# KiCad board le_capybara.kicad_pcb
title: Le Capybara; date: 2024-02-21; rev: v1.0; company: sporkus; note: Mounting holes clean up
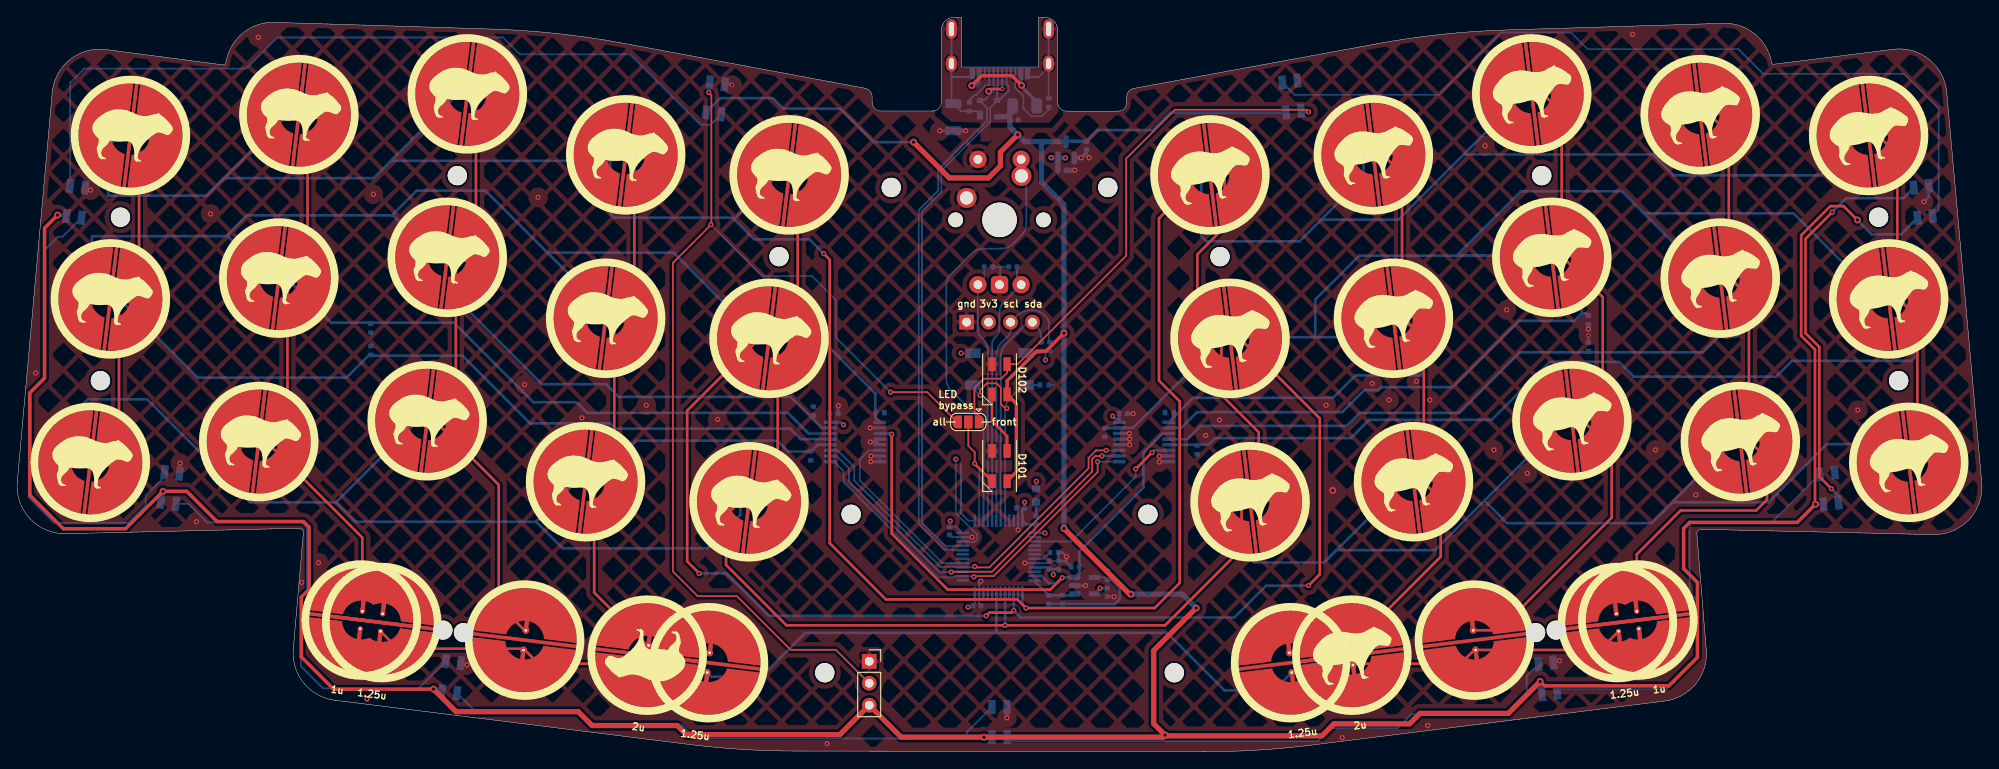
[diagram p0: board, top side]
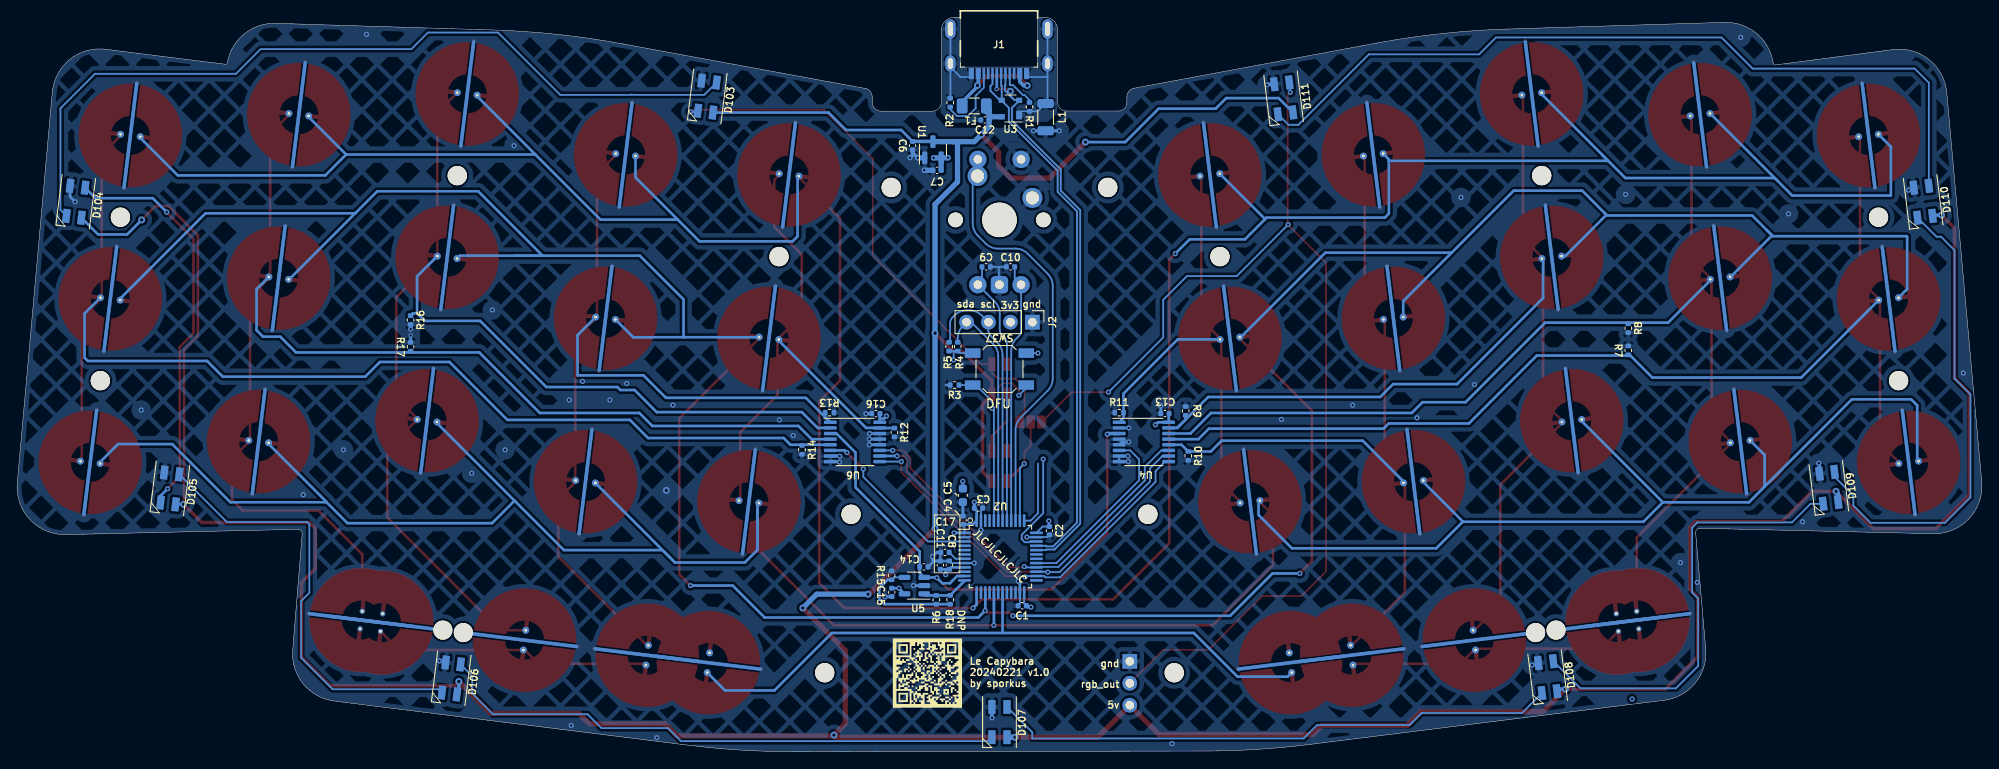
[diagram p1: board, bottom side, seen from below]

Outline 227.3 x 84.97 mm; copper layers: Top, In1.Cu, In2.Cu, Bottom. Coordinates in mm from the lower left corner of the outline.
Outline path: 109.24,84.96 108.4,84.96 arc(107.34,84.52) 106.91,83.46 106.91,75.12 arc(106.62,74.41) 105.91,74.12 99.91,74.12 arc(99.2,74.41) 98.91,75.12 98.91,75.77 arc(98.68,76.41) 98.09,76.75 70.07,81.97 arc(62.5,83.08) 54.86,83.6 29.74,84.37 arc(26.1,83.14) 24.16,79.81 24.12,79.61 arc(24.04,79.48) 23.9,79.44 10.24,81.23 arc(6.08,80.07) 4.05,76.27 0,31.21 arc(1.46,26.96) 5.61,25.22 32.59,25.86 arc(32.97,25.7) 33.1,25.31 31.94,11.89 arc(33.14,7.95) 36.74,5.95 77.7,0.85 arc(83.79,0.28) 89.9,0.08 137.22,0 arc(143.51,0.19) 149.77,0.77 190.63,5.87 arc(194.22,7.86) 195.43,11.77 194.33,25.19 arc(194.47,25.57) 194.84,25.73 221.7,25.12 arc(225.84,26.86) 227.3,31.11 223.25,76.3 arc(221.22,80.09) 217.09,81.26 203.21,79.53 arc(203.07,79.57) 202.99,79.69 202.96,79.85 arc(200.99,83.08) 197.4,84.27 172.33,83.5 arc(164.79,82.98) 157.31,81.9 129.2,76.74 arc(128.61,76.4) 128.38,75.76 128.38,75.11 arc(128.09,74.4) 127.38,74.11 121.38,74.11 arc(120.67,74.4) 120.38,75.11 120.38,83.47 arc(119.94,84.53) 118.88,84.97 118.18,84.97 ; 109.24,84.96 109.24,79.21 118.18,79.21 118.18,84.97
Stack: Top 0.035mm / dielectric 0.2104mm FR4 er 4.5 / In1.Cu 0.0152mm / dielectric 1.065mm FR4 er 4.5 / In2.Cu 0.0152mm / dielectric 0.2104mm FR4 er 4.5 / Bottom 0.035mm

## Placement (name value [footprint] x y rotation side)
C1  100nF  [C_0402_1005Metric]  111.02 16.89 0 bottom
C2  100nF  [C_0402_1005Metric]  107.87 25.57 270 bottom
C3  100nF  [C_0402_1005Metric]  116.08 28.19 180 bottom
C4  100nF  [C_0402_1005Metric]  117.87 26.78 90 bottom
C5  10uF  [C_0603_1608Metric]  117.89 29.66 270 bottom
C6  1uF  [C_0402_1005Metric]  123.71 70.12 90 bottom
C7  1uF  [C_0402_1005Metric]  120.88 67.26 180 bottom
C8  100n  [C_0402_1005Metric]  119.45 21.59 90 bottom
C9  100nF  [C_0402_1005Metric]  115.19 56.09 180 bottom
C10  100nF  [C_0402_1005Metric]  112.37 56.09 0 bottom
C11  1u  [C_0402_1005Metric]  120.49 21.58 90 bottom
C12  100nF  [C_0402_1005Metric]  115.33 73.09 0 bottom
C13  100n  [C_0402_1005Metric]  94.51 39.12 180 bottom
C14  220pF  [C_0402_1005Metric]  122.4 21.38 180 bottom
C15  100n  [C_0402_1005Metric]  126.12 18.43 90 bottom
C16  100n  [C_0402_1005Metric]  127.95 39.11 180 bottom
C17  100nF  [C_0402_1005Metric]  119.95 23.06 0 bottom
D101  SK6812MINI  [LED_SK6812MINI_PLCC4_3.5x3.5mm_P1.75mm]  113.65 33.05 270 top
D102  SK6812MINI  [LED_SK6812MINI_PLCC4_3.5x3.5mm_P1.75mm]  113.65 43.08 270 top
D103  SK6812MINI  [LED_SK6812MINI_PLCC4_3.5x3.5mm_P1.75mm]  147.46 75.79 277 bottom
D104  SK6812MINI  [LED_SK6812MINI_PLCC4_3.5x3.5mm_P1.75mm]  220.54 63.62 277 bottom
D105  SK6812MINI  [LED_SK6812MINI_PLCC4_3.5x3.5mm_P1.75mm]  209.64 30.46 277 bottom
D106  SK6812MINI  [LED_SK6812MINI_PLCC4_3.5x3.5mm_P1.75mm]  177.09 8.47 277 bottom
D107  SK6812MINI  [LED_SK6812MINI_PLCC4_3.5x3.5mm_P1.75mm]  113.65 3.43 270 bottom
D108  SK6812MINI  [LED_SK6812MINI_PLCC4_3.5x3.5mm_P1.75mm]  50.22 8.63 263 bottom
D109  SK6812MINI  [LED_SK6812MINI_PLCC4_3.5x3.5mm_P1.75mm]  17.69 30.53 263 bottom
D110  SK6812MINI  [LED_SK6812MINI_PLCC4_3.5x3.5mm_P1.75mm]  6.77 63.62 263 bottom
D111  SK6812MINI  [LED_SK6812MINI_PLCC4_3.5x3.5mm_P1.75mm]  80.77 75.59 263 bottom
F1  ASMD1206-150  [Fuse_1206_3216Metric]  116.57 74.71 180 bottom
G***  -  [LOGO]  121.99 9.09 180 bottom
H1  M2 Hole  [MountingHole_2.2mm_M2]  11.94 61.84 0 top
H2  M2 Hole  [MountingHole_2.2mm_M2]  93.43 9.14 0 top
H3  M2 Hole  [MountingHole_2.2mm_M2]  126.18 65.28 0 top
H4  M2 Hole  [MountingHole_2.2mm_M2]  50.92 66.65 0 top
H5  M2 Hole  [MountingHole_2.2mm_M2]  9.62 42.93 0 top
H6  M2 Hole  [MountingHole_2.2mm_M2]  49.25 14.07 0 top
H7  M2 Hole  [MountingHole_2.2mm_M2]  139.16 57.28 0 top
H8  M2 Hole  [MountingHole_2.2mm_M2]  96.48 27.46 0 top
H9  M2 Hole  [MountingHole_2.2mm_M2]  101.12 65.28 0 top
H10  M2 Hole  [MountingHole_2.2mm_M2]  51.62 13.78 0 top
H11  M2 Hole  [MountingHole_2.2mm_M2]  130.83 27.46 0 top
H12  M2 Hole  [MountingHole_2.2mm_M2]  88.15 57.28 0 top
H13  M2 Hole  [MountingHole_2.2mm_M2]  133.88 9.14 0 top
H14  M2 Hole  [MountingHole_2.2mm_M2]  215.37 61.84 0 top
H15  M2 Hole  [MountingHole_2.2mm_M2]  176.39 66.65 0 top
H16  M2 Hole  [MountingHole_2.2mm_M2]  178.05 14.07 0 top
H17  M2 Hole  [MountingHole_2.2mm_M2]  175.69 13.78 0 top
H18  M2 Hole  [MountingHole_2.2mm_M2]  217.69 42.93 0 top
J1  USB_C sink board 1.3mm  [USB4510031A]  113.71 82.46 0 bottom
J2  OLED I2C  [PinHeader_1x04_P2.54mm_Vertical]  109.84 49.69 270 bottom
J101  Conn_01x03_Female  [PinSocket_1x03_P2.54mm_Vertical]  98.58 10.46 0 top
JP2  SolderJumper_3_Open  [SolderJumper-3_P1.3mm_Open_RoundedPad1.0x1.5mm]  110.04 38.15 180 top
L1  60R@100MHz  [L_1206_3216Metric]  108.31 73.41 270 bottom
R1  5.1k  [R_0402_1005Metric]  110.18 74.6 90 bottom
R2  5.1k  [R_0402_1005Metric]  119.35 75.09 270 bottom
R3  10k  [R_0402_1005Metric]  118.84 42.42 0 bottom
R4  4.7k  [R_0402_1005Metric]  118.48 46.86 270 bottom
R5  4.7k  [R_0402_1005Metric]  119.48 46.86 270 bottom
R6  100k  [R_0402_1005Metric]  120.96 17.58 270 bottom
R7  100k  [R_0402_1005Metric]  40.89 46.43 90 bottom
R8  100k  [R_0402_1005Metric]  40.89 49 270 bottom
R9  100k  [R_0402_1005Metric]  92.11 39.42 90 bottom
R10  100k  [R_0402_1005Metric]  91.81 34.22 270 bottom
R11  100k  [R_0402_1005Metric]  99.81 39.22 0 bottom
R12  100k  [R_0402_1005Metric]  125.81 36.93 270 bottom
R13  100k  [R_0402_1005Metric]  133.32 39.22 180 bottom
R14  100k  [R_0402_1005Metric]  136.51 34.92 270 bottom
R15  1k  [R_0402_1005Metric]  126.14 20.4 90 bottom
R16  100k  [R_0402_1005Metric]  181.79 49.94 270 bottom
R17  100k  [R_0402_1005Metric]  181.79 46.84 90 bottom
R18  DNP  [R_0402_1005Metric]  119.36 17.58 270 bottom
SW1  EC_SW  [capy_pad_1U_90deg]  13.09 71.29 263 top
SW2  EC_SW  [capy_pad_1U_90deg]  32.58 73.7 263 top
SW3  EC_SW  [capy_pad_1U_90deg]  52.07 76.1 263 top
SW4  EC_SW  [capy_pad_1U_90deg]  70.4 69.05 263 top
SW5  EC_SW  [capy_pad_1U_90deg]  89.31 66.73 263 top
SW6  EC_SW  [capy_pad_1U_90deg]  138 66.73 277 top
SW7  EC_SW  [capy_pad_1U_90deg]  156.91 69.05 277 top
SW8  EC_SW  [capy_pad_1U_90deg]  175.24 76.1 277 top
SW9  EC_SW  [capy_pad_1U_90deg]  194.72 73.7 277 top
SW10  EC_SW  [capy_pad_1U_90deg]  214.21 71.29 277 top
SW11  EC_SW  [capy_pad_1U_90deg]  10.77 52.38 263 top
SW12  EC_SW  [capy_pad_1U_90deg]  30.26 54.79 263 top
SW13  EC_SW  [capy_pad_1U_90deg]  49.75 57.19 263 top
SW14  EC_SW  [capy_pad_1U_90deg]  68.08 50.15 263 top
SW15  EC_SW  [capy_pad_1U_90deg]  86.99 47.82 263 top
SW16  EC_SW  [capy_pad_1U_90deg]  140.32 47.82 277 top
SW17  EC_SW  [capy_pad_1U_90deg]  159.23 50.15 277 top
SW18  EC_SW  [capy_pad_1U_90deg]  177.56 57.19 277 top
SW19  EC_SW  [capy_pad_1U_90deg]  197.05 54.79 277 top
SW20  EC_SW  [capy_pad_1U_90deg]  216.53 52.38 277 top
SW21  EC_SW  [capy_pad_1U_90deg]  8.45 33.47 263 top
SW22  EC_SW  [capy_pad_1U_90deg]  27.94 35.88 263 top
SW23  EC_SW  [capy_pad_1U_90deg]  47.43 38.29 263 top
SW24  EC_SW  [capy_pad_1U_90deg]  65.76 31.24 263 top
SW25  EC_SW  [capy_pad_1U_90deg]  84.66 28.92 263 top
SW26  EC_SW  [capy_pad_1U_90deg]  142.64 28.92 277 top
SW27  EC_SW  [capy_pad_1U_90deg]  161.55 31.24 277 top
SW28  EC_SW  [capy_pad_1U_90deg]  179.88 38.29 277 top
SW29  EC_SW  [capy_pad_1U_90deg]  199.37 35.88 277 top
SW30  EC_SW  [capy_pad_1U_90deg]  218.86 33.47 277 top
SW31  EC_SW  [ecs_pad_combo_0.125u_offset]  42.16 14.94 173 top
SW32  EC_SW  [capy_pad_2U_90deg]  72.89 11.17 173 top
SW33  EC_SW  [capy_pad_2U_90deg]  154.42 11.17 7 top
SW34  EC_SW  [ecs_pad_combo_0.125u_offset]  185.15 14.94 7 top
SW35  SW_Push  [MX-Solderable-1U]  113.65 61.53 0 top
SW36  Rotary_Encoder_Switch  [ROT_Alps_EC11E-Switch]  113.65 61.53 0 top
SW37  SKQGABE010  [SW_SPST_SKQG_WithoutStem]  113.65 44.27 180 bottom
SW39  EC_SW  [ec_pad_1U_90deg]  58.71 12.91 173 top
SW40  EC_SW  [ec_pad_1U_90deg]  79.98 10.3 173 top
SW42  EC_SW  [ec_pad_1U_90deg]  168.6 12.91 187 top
SW43  EC_SW  [ec_pad_1U_90deg]  147.33 10.3 187 top
U1  XC6206PxxxMR-Regulator_Linear  [SOT-23]  121.35 69.64 90 bottom
U2  STM32F072CBT6  [LQFP-48_7x7mm_P0.5mm]  113.54 22.57 180 bottom
U3  PRTR5V0U2X  [SOT-143]  112.38 74.41 0 bottom
U4  74HC4051  [TSSOP-16_4.4x5mm_P0.65mm]  96.94 35.84 180 bottom
U5  OPA354AIDBVR  [SOT-23-5]  123.5 19.21 0 bottom
U6  74HC4051  [TSSOP-16_4.4x5mm_P0.65mm]  130.37 35.84 180 bottom

## Library data of the parts
C1-C4 C9 C10 C12 C13 C15 C16 = -: Description: Unpolarized capacitor; LCSC: C307331
C5 C8 C11 = -: Description: Unpolarized capacitor
C6 C7 = -: Description: Unpolarized capacitor, small symbol; LCSC: C52923
C14 = -: Description: Unpolarized capacitor; LCSC: C1530
C17 = -: Description: Unpolarized capacitor, small symbol; LCSC: C307331
D101 D102 D107 = -: Description: RGB LED with integrated controller
D103-D106 = -: Description: RGB LED with integrated controller; JlcRotOffset: -14
D108-D111 = -: Description: RGB LED with integrated controller; JlcRotOffset: 14
F1 = -: Description: Resettable fuse, polymeric positive temperature coefficient; LCSC: C135341
H1-H18 = -: Description: Mounting Hole without connection
J1 = -: Description: USB 2.0-only Type-C Receptacle connector; JlcPosOffset: 0,1.35; JlcRotOffset: 180; LCSC: C3019717
J2 = -: Description: Generic connector, single row, 01x04, script generated
JP2 = -: Description: Solder Jumper, 3-pole, open
L1 = -: LCSC: C33600; Manufacturer: MELED Industrial; Manufacturer Part No: MLB3216-600P4A(f); Package: L1206
R1 R2 R4 R5 R18 = -: Description: Resistor
R3 = -: Description: Resistor, small symbol
R6-R14 R16 R17 = -: Description: Resistor; LCSC: C25741
R15 = -: Description: Resistor; LCSC: C11702
SW35 = -: Description: Push button switch, generic, two pins
SW37 = -: Description: Push button switch, generic, two pins; LCSC: C115351
U1 = -: Description: SMD LDO regulator family; JlcRotOffset: 180; LCSC: C5446
U2 = -: Description: STMicroelectronics Arm Cortex-M0 MCU, 128KB flash, 16KB RAM, 48 MHz, 2.0-3.6V, 37 GPIO, LQFP48; JlcRotOffset: 90
U3 = -: Description: Ultra low capacitance double rail-to-rail ESD protection diode, SOT-143; JlcRotOffset: 90; LCSC: C2827688
U4 U6 = -: Description: 8-channel analog multiplexer/demultiplexer, DIP-16/SOIC-16/TSSOP-16; JlcRotOffset: 90; LCSC: C5645
U5 = -: Description: Single Single-Supply, Rail-to-Rail Operational Amplifier, MicroAmplifier Series, SOT-23-5

## Footprints (pads in the part's own frame, mm; a bottom-side part is the same pattern mirrored in y, then rotated)
C_0402_1005Metric
  rrect 0.56x0.62 smd: 1(-0.48,0) 2(0.48,0)
C_0603_1608Metric
  rrect 0.9x0.95 smd: 1(-0.775,0) 2(0.775,0)
capy_pad_1U_90deg
  round 0.8 hole 0.3: 1(0,1.15) 2(0,-1.15)
  custom 11.973x5.595 smd: 1(0,1) 2(0,-1)
  rrect 12.5x0.4 smd far side: 3(0,0)
  rrect 12.75x0.4 smd: 3(0,0)
capy_pad_2U_90deg
  round 0.8 hole 0.3: 1(0,1.15) 2(0,-1.15)
  custom 11.973x5.595 smd: 1(0,1) 2(0,-1)
  rrect 12.5x0.4 smd far side: 3(0,0)
  rrect 12.75x0.4 smd: 3(0,0)
ec_pad_1U_90deg
  round 0.8 hole 0.3: 1(0,1.15) 2(0,-1.15)
  custom 11.973x5.595 smd: 1(0,1) 2(0,-1)
  rrect 12.5x0.4 smd far side: 3(0,0)
  rrect 12.75x0.4 smd: 3(0,0)
ecs_pad_combo_0.125u_offset
  custom 14.405x5.65 smd: 1(0,1.025) 2(2.381,-1.025)
  round 0.6 hole 0.3: 1(0,1.025) 1(2.381,1.025) 2(0,-1.025) 2(2.381,-1.025)
  rrect 12.5x0.4 smd far side: 3(0,0) 3(2.381,0)
  rrect 12.75x0.4 smd: 3(0,0) 3(2.381,0)
Fuse_1206_3216Metric
  rrect 1.25x1.75 smd: 1(-1.4,0) 2(1.4,0)
L_1206_3216Metric
  rrect 1.05x1.9 smd: 1(-1.575,0) 2(1.575,0)
LED_SK6812MINI_PLCC4_3.5x3.5mm_P1.75mm
  rect 1.6x0.85 smd: 1(-1.75,0.875) 2(-1.75,-0.875) 3(1.75,-0.875) 4(1.75,0.875)
LQFP-48_7x7mm_P0.5mm
  rrect 1.475x0.3 smd: 1(-4.162,2.75) 2(-4.162,2.25) 3(-4.162,1.75) 4(-4.162,1.25) 5(-4.162,0.75) 6(-4.162,0.25) 7(-4.162,-0.25) 8(-4.162,-0.75) 9(-4.162,-1.25) 10(-4.162,-1.75) 11(-4.162,-2.25) 12(-4.162,-2.75) 25(4.162,-2.75) 26(4.162,-2.25) 27(4.162,-1.75) 28(4.162,-1.25) 29(4.162,-0.75) 30(4.162,-0.25) 31(4.162,0.25) 32(4.162,0.75) 33(4.162,1.25) 34(4.162,1.75) 35(4.162,2.25) 36(4.162,2.75)
  rrect 0.3x1.475 smd: 13(-2.75,-4.162) 14(-2.25,-4.162) 15(-1.75,-4.162) 16(-1.25,-4.162) 17(-0.75,-4.162) 18(-0.25,-4.162) 19(0.25,-4.162) 20(0.75,-4.162) 21(1.25,-4.162) 22(1.75,-4.162) 23(2.25,-4.162) 24(2.75,-4.162) 37(2.75,4.162) 38(2.25,4.162) 39(1.75,4.162) 40(1.25,4.162) 41(0.75,4.162) 42(0.25,4.162) 43(-0.25,4.162) 44(-0.75,4.162) 45(-1.25,4.162) 46(-1.75,4.162) 47(-2.25,4.162) 48(-2.75,4.162)
MountingHole_2.2mm_M2
  round 2.2 hole 2.2 unplated: (0,0)
MX-Solderable-1U
  round 1.7 hole 1.7 unplated: (-5.08,0) (5.08,0)
  round 3.988 hole 3.988 unplated: (0,0)
  round 2.3 hole 1.524: 1(-3.81,2.54) 2(2.54,5.08)
PinHeader_1x04_P2.54mm_Vertical
  rect 1.7x1.7 hole 1: 1(0,0)
  oval 1.7x1.7 hole 1: 2(0,-2.54) 3(0,-5.08) 4(0,-7.62)
PinSocket_1x03_P2.54mm_Vertical
  rect 1.7x1.7 hole 1: 1(0,0)
  oval 1.7x1.7 hole 1: 2(0,-2.54) 3(0,-5.08)
R_0402_1005Metric
  rrect 0.54x0.64 smd: 1(-0.51,0) 2(0.51,0)
ROT_Alps_EC11E-Switch
  round 2 hole 1: A(-2.5,-7.5) B(2.5,-7.5) S1(2.5,7) S2(-2.5,7)
  rrect 2x2 hole 1: C(0,-7.5)
SolderJumper-3_P1.3mm_Open_RoundedPad1.0x1.5mm
  custom 1.05x1.5 smd: 1(-1.3,0) 3(1.3,0)
  rect 1x1.5 smd: 2(0,0)
SOT-23
  rrect 1.475x0.6 smd: 1(-0.938,0.95) 2(-0.938,-0.95) 3(0.938,0)
SOT-23-5
  rrect 1.325x0.6 smd: 1(-1.137,0.95) 2(-1.137,0) 3(-1.137,-0.95) 4(1.137,-0.95) 5(1.137,0.95)
SOT-143
  rect 0.7x1 smd: 1(-1,0.75)
  rect 0.7x0.6 smd: 2(-1,-0.95) 3(1,-0.95) 4(1,0.95)
SW_SPST_SKQG_WithoutStem
  rect 1.8x1.1 smd: 1(-3.1,1.85) 1(3.1,1.85) 2(-3.1,-1.85) 2(3.1,-1.85)
TSSOP-16_4.4x5mm_P0.65mm
  rrect 1.475x0.4 smd: 1(-2.862,2.275) 2(-2.862,1.625) 3(-2.862,0.975) 4(-2.862,0.325) 5(-2.862,-0.325) 6(-2.862,-0.975) 7(-2.862,-1.625) 8(-2.862,-2.275) 9(2.862,-2.275) 10(2.862,-1.625) 11(2.862,-0.975) 12(2.862,-0.325) 13(2.862,0.325) 14(2.862,0.975) 15(2.862,1.625) 16(2.862,2.275)
USB4510031A
  rect 0.6x1.3 smd: A1(-3.2,4) A4(-2.4,4) A9(2.4,4) A12(3.2,4)
  rect 0.3x1.3 smd: A5(-1.25,4) A6(-0.25,4) A7(0.25,4) A8(1.25,4) B5(1.75,4) B6(0.75,4) B7(-0.75,4) B8(-1.75,4)
  oval 1.2x2.25 hole 0.6x1.65: S1(-5.62,-1.15) S1(5.62,-1.15)
  oval 1.2x1.85 hole 0.6x1.25: S1(-5.62,2.85) S1(5.62,2.85)

## Nets
+3V3: C1.1 C2.1 C3.1 C4.1 C5.1 C7.2 C8.1 C11.1 C13.2 C15.2 C16.2 J2.2 R4.2 R5.2 SW37.1 U1.2 U2.1 U2.9 U2.24 U2.36 U2.48 U4.16 U5.5 U6.16
+5V: C6.2 C12.1 D101.4 D102.4 D103.4 D104.4 D105.4 D106.4 D107.4 D108.4 D109.4 D110.4 D111.4 F1.2 J101.3 U1.3 U3.4
GND: C1.2 C2.2 C3.2 C4.2 C5.2 C6.1 C7.1 C8.2 C9.2 C10.2 C11.2 C12.2 C13.1 C14.2 C15.1 C16.1 C17.2 D101.2 D102.2 D103.2 D104.2 D105.2 D106.2 D107.2 D108.2 D109.2 D110.2 D111.2 J1.A1 J1.A12 J1.S1 J2.1 J101.1 L1.1 L1.2 R1.1 R2.1 R3.2 R7.2 R8.2 R9.2 R10.2 R11.2 R12.2 R13.2 R14.2 R15.2 R16.2 R17.2 SW1.3 SW2.3 SW3.3 SW4.3 SW5.3 SW6.3 SW7.3 SW8.3 SW9.3 SW10.3 SW11.3 SW12.3 SW13.3 SW14.3 SW15.3 SW16.3 SW17.3 SW18.3 SW19.3 SW20.3 SW21.3 SW22.3 SW23.3 SW24.3 SW25.3 SW26.3 SW27.3 SW28.3 SW29.3 SW30.3 SW31.3 SW32.3 SW33.3 SW34.3 SW35.1 SW36.C SW36.S2 SW39.3 SW40.3 SW42.3 SW43.3 U1.1 U2.8 U2.23 U2.35 U2.47 U3.1 U4.2 U4.4 U4.5 U4.7 U4.8 U5.2 U6.7 U6.8 U6.12 U6.13 U6.14
VBUS: F1.1 J1.A4 J1.A9
ADC: R6.1 R18.1 U2.12 U5.1
AMUX_SEL_0: U2.28 U4.11 U6.11
AMUX_SEL_1: U2.27 U4.10 U6.10
AMUX_SEL_2: U2.26 U4.9 U6.9
APLEX_EN0: U2.29 U4.6
APLEX_EN1: U2.3 U6.6
APLEX_OUT: C14.1 U2.11 U4.3 U5.3 U6.3
BOOT0: R3.1 SW37.2 U2.44
COL0: R7.1 SW1.1 SW11.1 SW21.1 U4.13
COL1: R8.1 SW2.1 SW12.1 SW22.1 SW31.2 U4.14
COL2: R9.1 SW3.1 SW13.1 SW23.1 SW39.2 U4.15
COL3: R10.1 SW4.1 SW14.1 SW24.1 SW32.2 SW40.2 U4.12
COL4: R11.1 SW5.1 SW15.1 SW25.1 U4.1
COL5: R12.1 SW6.1 SW16.2 SW26.1 U6.15
COL6: R13.1 SW7.1 SW17.1 SW27.1 SW33.1 SW43.2 U6.1
COL7: R16.1 SW8.1 SW18.1 SW28.1 SW42.2 U6.2
COL8: R17.1 SW9.1 SW19.1 SW29.1 SW34.1 U6.4
COL9: R14.1 SW10.1 SW20.1 SW30.1 U6.5
D_N: J1.A7 J1.B7 U2.32 U3.2
D_P: J1.A6 J1.B6 U2.33 U3.3
EncA: C10.1 SW36.A U2.40
EncB: C9.1 SW36.B U2.41
KNOB_SW: SW35.2 SW36.S1 U2.39
NRST: C17.1 U2.7
RGB: D101.3 JP2.2 U2.38
ROW0: SW1.2 SW2.2 SW3.2 SW4.2 SW5.2 SW6.2 SW7.2 SW8.2 SW9.2 SW10.2 U2.13
ROW1: SW11.2 SW12.2 SW13.2 SW14.2 SW15.2 SW16.1 SW17.2 SW18.2 SW19.2 SW20.2 U2.15
ROW2: SW21.2 SW22.2 SW23.2 SW24.2 SW25.2 SW26.2 SW27.2 SW28.2 SW29.2 SW30.2 U2.17
ROW3: SW31.1 SW32.1 SW33.2 SW34.2 SW39.1 SW40.1 SW42.1 SW43.1 U2.19
SCL: J2.3 R5.1 U2.42
SDA: J2.4 R4.1 U2.43
Net-(D101-DOUT): D101.1 D102.3
Net-(D102-DOUT): D102.1 D103.3 JP2.1
Net-(D103-DOUT): D103.1 D104.3
Net-(D104-DOUT): D104.1 D105.3
Net-(D105-DOUT): D105.1 D106.3
Net-(D106-DOUT): D106.1 D107.3
Net-(D107-DOUT): D107.1 D108.3
Net-(D108-DOUT): D108.1 D109.3
Net-(D109-DOUT): D109.1 D110.3
Net-(D110-DOUT): D110.1 D111.3
Net-(D111-DOUT): D111.1 J101.2 JP2.3
Net-(J1-CC1): J1.A5 R1.2
Net-(J1-CC2): J1.B5 R2.2
Net-(U5--): R6.2 R15.1 R18.2 U5.4

Pads without a net: J1 A8 B8; U2 2 4 5 6 10 14 16 18 20 21 22 25 30 31 34 37 45 46

## Via types
v1: diameter 0.6, hole 0.3, Top to Bottom, 101 vias
v2: diameter 0.5, hole 0.3, Top to Bottom, 3 vias
v3: diameter 0.8, hole 0.4, Top to Bottom, 18 vias

## Routing (per net, layer and track width the routed paths; a pad name or vN(x,y) marks a point on that pad's centre or on a via; arc(x,y) is an arc through that point)
+3V3: length 29.5
  Bottom w0.2: SW37.1 109.22,46.12 v1(109.2,46.11) ; U2.36 108.65,26.05 C2.1 107.94,26.12 v1(107.94,26.69) ; v1(118.96,45.33) 118.95,45.33 118.95,46.35 ; 118.95,46.35 R5.2 ; 118.95,46.35 R4.2 118.25,46.12 SW37.1 ; U2.24 110.79,17.14 C1.1 ; U2.1 117.71,26.01
  Bottom w0.3: v1(126.73,38.83) 127.03,38.53 127.51,38.53 ; v1(116.55,28.86) 116.56,28.85 C3.1 116.29,27.92 U2.48 116.73,26.3 C4.1 ; 119.88,21.1 v1(119.88,20.48) ; 94.08,39.07 U4.16 95.32,38.11 v1(95.61,37.82) ; C11.1 119.46,21.1 ; U6.16 127.51,38.53 ; 127.51,38.53 127.51,39.08 ; C8.1 119.24,21.32 U2.9 ; v1(118.9,25.31) 118.89,25.32 U2.1 ; C15.2 v1(125.28,18.91) U5.5 ; v1(117.9,31.28) 117.89,31.27 C5.1 ; C1.1 110.37,16.72 v1(110.01,16.72)
  Bottom w0.6: U1.2 121.27,68.7 v1(121.28,68.71) ; U1.2 C7.2 ; U1.2 119.63,68.7 v1(119.6,68.73)
  vias: v1(40.45,6.1)
+5V: length 535.3
  Top w0.3: v3(212.91,61.52) 211.31,63.12 209.79,63.12 206.41,59.74 206.41,48.12 208.01,46.52 208.01,28.67 v3(208.06,28.62)
  Top w0.4: v3(4.65,62.08) 3.15,60.58 3.15,43.23 1.45,41.53 1.45,29.68 5.33,25.8 12.53,25.8 v3(16.86,30.13) 19.61,30.13 23.11,26.63 33.11,26.63 33.76,25.98 33.76,18.78 32.86,17.88 32.86,10.98 36.59,7.24 v3(48.16,7.24) ; v3(208.06,28.62) 205.96,26.53 193.51,26.53 192.81,25.83 192.81,21.18 194.41,19.58 194.41,10.93 191.11,7.63 176.71,7.63 v3(176.21,8.13) ; D101.4 115.6,32.38 115.6,40.25 D102.4 114.53,42.9 117.96,46.33 119.02,46.33 v3(121.11,48.42)
  Top w0.6: v3(115.76,71.38) 113.76,69.37 113.76,67.78 112.36,66.38 107.85,66.38 v3(103.71,70.52) ; v3(132.81,1.92) 132.56,1.68 v3(111.85,1.68) 102.28,1.68 J101.3 95.18,1.98 77.4,1.98 76.35,3.03 66.5,3.03 64.9,4.63 50.77,4.63 v3(48.16,7.24) ; v3(132.81,1.92) 131.49,3.24 131.49,11.71 v3(136.41,16.62) ; v3(132.81,1.92) 132.9,1.83 150.95,1.83 152.35,3.23 161.1,3.23 162.3,4.43 172.51,4.43 v3(176.21,8.13) ; v3(121.11,25.82) 128.71,18.22 v3(128.86,18.22)
  Bottom w0.3: v3(103.71,70.52) 99.11,70.52 95.24,74.39 88.64,74.39 87.41,75.62 81.35,75.62 D111.4 ; D105.4 208.07,28.61 v3(208.06,28.62) ; U1.3 123.68,70.58 125.03,71.92 131.41,71.92 133.42,73.94 146.81,73.94 D103.4 ; D104.4 217.94,59.84 214.59,59.84 v3(212.91,61.52)
  Bottom w0.4: D108.4 48.9,7.24 v3(48.16,7.24) ; D110.4 5.6,62.08 v3(4.65,62.08) ; v3(16.86,30.13) 16.85,30.13 16.61,29.88 D109.4 ; C6.2 121.38,70.6 ; v3(176.21,8.13) 176.21,6.85
  Bottom w0.6: v3(111.85,1.68) D107.4 ; v3(121.11,25.82) v3(121.11,48.42) 121.11,63.32 118.51,65.92 118.51,70.58 119.01,70.58 ; F1.2 115.17,74.05 114.58,73.46 U3.4 ; 119.01,70.58 U1.3 ; 119.01,70.58 116.56,70.58 v3(115.76,71.38) 114.85,72.29 C12.1 114.85,74.39 ; v3(136.41,16.62) 134.81,18.22 v3(128.86,18.22)
GND: length 79.9
  Bottom w0.2: J1.S1 108.09,78.08 ; 108.09,78.08 108.11,78.06 110.51,78.06 ; 108.09,78.08 108.09,75.21 ; C10.2 113.72,56.09 ; 113.72,56.09 C9.2 ; 113.72,56.09 113.72,54.1 ; v1(98.76,33.56) U4.8 U4.7 v1(98.8,34.21) ; v1(8.47,64.97) 8.14,64.97 D110.2 ; 111.38,73.78 111.07,74.09 R1.1 109.21,74.09 L1.1 ; C2.2 108.14,24.82 U2.35 v1(110.48,24.83) ; C3.2 115.79,27.99 U2.47 115.79,25.69 115.8,25.68 ; 115.8,25.68 v1(115.8,25.66) 115.82,25.66 115.8,25.68 ; 111.29,19.43 U2.23 111.29,17.1 C1.2 ; C8.2 119.21,21.82 U2.8 116.69,21.82 ; 119.33,79.21 J1.S1 ; 119.33,79.21 118.18,78.06 116.91,78.06 ; 119.33,79.21 119.33,75.62 ; 119.33,42.42 119.92,42.42 ; v1(98.69,37.47) 98.7,37.46 U4.2 ; 119.46,22.06 C11.2 120.49,23 ; C5.2 117.89,28.22
  Bottom w0.3: U6.8 132.21,33.56 v1(132.15,33.51) ; 116.69,21.82 116.59,21.82 v1(116.58,21.83) ; v1(123.61,19.23) 123.59,19.21 U5.2 ; C15.1 126.88,17.95 v1(126.91,17.93) ; D104.2 221.19,64.21 v1(220.61,63.62) ; 121.25,22.06 C11.2 ; 121.25,22.06 121.41,22.21 v1(121.41,22.58) 120.93,23.06 C17.2 ; 121.25,22.06 C14.2 ; v1(132.15,34.18) 132.18,34.21 U6.7 ; v1(98.7,35.83) 99.48,35.83 U4.5 ; C16.1 v1(129.1,39.11) ; v1(109.71,71.84) L1.2 v1(106.73,71.84) ; U2.23 111.29,19.54 v1(111.48,19.72) ; C5.2 117.89,27.27 ; v1(95.01,40.02) 94.99,40 C13.1 ; v2(181.8,48.15) 181.79,48.15 R17.2 ; v1(128.68,36.81) 128.68,36.81 U6.14 ; D108.2 51.52,10.04 v1(52.02,10.04) ; U6.12 v1(128.71,35.51) ; v1(18.86,33.38) 18.77,33.29 D109.2 ; U6.13 v1(128.71,36.16)
  Bottom w0.4: D106.2 177.95,10.53 v1(178.46,10.53) ; v1(124.01,68.72) 123.71,69.02 C6.1 123.71,69.31 v1(123.1,68.71) ; D111.2 82.61,77.22 v2(82.71,77.12) ; D107.2 114.53,3.95 v1(114.51,3.92)
  Bottom w0.6: U1.1 123.1,68.7 v1(123.1,68.71) ; C7.1 122.33,67.26 v1(122.35,67.28)
  vias: v1(2.13,43.81) v1(20.73,26.61) v1(22.36,62.23) v1(27.89,82.64) v1(32.91,19.58) v1(34.86,21.88) v1(41.21,64.48) v1(58.69,42.47) v1(60.26,64.13) v1(65.34,38.63) v1(72.79,40.09) v1(81.03,38.44) v1(93.71,0.93) v1(137.51,36.59) v1(139.11,38.39) v1(151.44,40.09) v1(153.31,1.62) v1(156.79,42.59) v1(158.74,40.69) v1(161.9,42.84) v1(163.2,3.03) v1(163.44,40.69) v1(169.83,70.11) v1(170.86,34.93) v1(172.33,51.11) v1(174.73,32.21) v1(181.79,48.89) v1(186.89,82.99) v1(189.56,34.93) v1(194.21,29.72) v1(212.96,39.53) v3(152.21,30.23)
VBUS: length 12.4
  Top w0.4: v3(116.2,77.08) 115.07,78.21 111.59,78.21 v3(110.44,77.06)
  Bottom w0.4: 116.11,78.06 116.11,77.04 117.97,75.18 ; J1.A4 111.31,77.51 110.86,77.06 v3(110.44,77.06)
ADC: length 5.4
  Bottom w0.3: U5.1 122.18,18.08 119.37,18.08 117.71,19.74 117.71,19.74
AMUX_SEL_0: length 46.3
  Top w0.2: v1(110.78,21.42) 110.88,21.32 112.48,21.32 123.96,32.8 123.96,34 124.82,34.86 v1(126.01,34.86)
  Bottom w0.2: U2.28 110.68,21.32 v1(110.78,21.42) ; v1(126.01,34.86) U6.11 ; U4.11 94.92,34.86 96.84,32.94 96.84,31.37 106.83,21.37 109.33,21.37
AMUX_SEL_1: length 47.6
  Top w0.2: v1(108.06,20.77) 108.11,20.82 112.77,20.82 124.36,32.4 124.36,33.83 124.74,34.21 v1(125.51,34.21)
  Bottom w0.2: U2.27 108.11,20.82 v1(108.06,20.77) 106.71,20.77 96.24,31.25 96.24,32.78 94.8,34.21 U4.10
  Bottom w0.3: v1(125.51,34.21) U6.10
AMUX_SEL_2: length 45.6
  Top w0.2: v1(125.01,33.56) 125.01,32.35 112.98,20.32 110.78,20.32 v1(110.68,20.22)
  Bottom w0.2: v1(110.68,20.22) 110.58,20.32 U2.26 108.48,20.32 108.33,20.17 106.63,20.17 95.59,31.22 95.59,32.47 94.5,33.56 ; v1(125.01,33.56) U6.9
APLEX_EN0: length 21
  Bottom w0.2: U2.29 107.06,21.82 97.49,31.39 97.49,33.82 98.53,34.86 U4.6
APLEX_EN1: length 20.4
  Top w0.3: v1(131.31,34.61) v1(129.41,32.71)
  Bottom w0.2: v1(129.41,32.71) 129.41,31.79 121.94,24.32 U2.3
  Bottom w0.3: v1(131.31,34.61) 131.56,34.86 U6.6
APLEX_OUT: length 62.7
  Top w0.3: v1(101.18,36.72) 101.18,25.22 107.65,18.76 119.54,18.76 v1(120.91,20.13)
  Bottom w0.3: U6.3 132.51,36.81 130.31,34.61 130.31,30.58 122.88,23.16 C14.1 122.88,20.69 U5.3 120.94,20.16 v1(120.91,20.13) 120.9,20.13 120.26,19.49 119.38,19.49 118.55,20.32 U2.11
  Bottom w0.4: U4.3 101.09,36.81 v1(101.18,36.72)
BOOT0: length 26
  Top w0.2: v1(111.41,41.22) 111.41,41.82 112.21,42.62 113.31,42.62 113.8,42.13 113.8,40.23 114.31,39.72 v1(114.51,39.72)
  Bottom w0.2: 114.29,39.42 114.29,39.52 arc(114.45,40.29) 114.88,40.93 116.37,42.42 ; 114.29,39.42 114.29,39.51 v1(114.51,39.72) ; 114.29,39.42 U2.44 ; 110.55,42.08 v1(111.41,41.22) ; SW37.2 R3.1
COL0: length 130.3
  Top w0.3: 14.09,71.17 14.09,54.58 11.91,52.4 ; 11.77,52.1 11.77,35.67 9.45,33.35
  Bottom w0.3: 11.9,52.26 20.88,43.28 38.1,43.28 40.65,45.83 51.48,45.83 59.33,37.98 68.6,37.98 69.2,37.38 89.41,37.38 90.63,36.16 U4.13
COL1: length 133.8
  Top w0.3: 28.94,35.76 31.26,38.08 31.26,54.67 33.58,56.99 33.58,73.57 ; 39.92,16.22 39.92,24.77 SW22.1
  Bottom w0.3: U4.14 91.55,36.81 89.17,39.19 65.94,39.19 64.7,40.43 59.72,40.43 50.51,49.64 36.29,49.64 31.4,54.52
COL2: length 124.1
  Top w0.3: 48.43,38.16 50.75,40.48 50.75,57.07 53.07,59.39 53.07,75.98 ; SW23.1 55.71,30.88 55.71,17.02 SW39.2
  Bottom w0.3: 50.75,56.91 50.75,52.48 60.7,42.53 68.1,42.53 69.59,41.04 89.5,41.04 93.08,37.46 ; 93.08,37.46 92.11,38.43 R9.1 ; 93.08,37.46 U4.15
COL3: length 88.2
  Top w0.3: 69.08,50.02 69.08,33.44 66.75,31.11 ; 71.4,52.34 71.4,68.93 ; SW32.2 66.75,18.42 SW24.1
  Bottom w0.3: 66.75,31.11 71.62,35.98 87.95,35.98 89.2,34.73 R10.1 92.58,35.51 U4.12
COL4: length 57.2
  Top w0.3: 85.66,28.79 87.98,31.11 87.98,47.7 90.31,50.02 90.31,66.61
  Bottom w0.3: U4.1 99.3,38.62 R11.1 99.3,41.43 93.03,47.7 87.98,47.7
COL5: length 59.9
  Top w0.3: 138.99,66.86 139.71,66.14 139.71,60.71 136.54,57.54 136.54,50.49 139.33,47.7 139.33,41.27 143.64,36.96 143.64,29.04
  Bottom w0.3: 139.18,47.55 129.09,37.46 U6.15 ; R12.1 127.49,37.44
COL6: length 104.5
  Top w0.3: SW33.1 164.71,22.57 164.71,29.2 SW27.1 ; 162.74,31.56 162.74,47.75 160.22,50.27 160.22,66.86 157.9,69.18
  Bottom w0.3: R13.1 133.83,38.71 U6.1 136.06,40.94 152.24,40.94 154.84,43.54 162.47,43.54 162.47,48.18 SW17.1
COL7: length 137.8
  Top w0.3: SW28.1 184.49,34.96 184.49,27.09 171.45,14.05 SW42.2 ; SW28.1 183.45,40.98 183.45,52.59 SW18.1 178.7,73.92 SW8.1
  Bottom w0.3: 181.04,50.72 181.04,54.99 SW18.1 ; 181.04,50.72 181.52,50.72 R16.1 ; 181.04,50.72 180.16,49.84 173.74,49.84 166.09,42.19 157.86,42.19 157.51,41.84 155.87,41.84 153.31,39.29 136.51,39.29 134.69,37.46 U6.2
COL8: length 150.1
  Top w0.3: 195.72,73.82 198.04,71.5 198.04,54.91 200.36,52.59 200.36,36.01 ; SW29.1 202.46,33.91 202.46,29.16 201.21,27.91 192.46,27.91 187.39,22.84 187.39,16.22
  Bottom w0.3: 198.2,54.91 199.61,53.5 199.61,48.76 198.87,48.02 196.87,48.02 195.05,46.19 173.84,46.19 166.84,39.19 155.32,39.19 153.81,37.69 136.91,37.69 135.39,36.16 U6.4
COL9: length 139.3
  Top w0.3: 219.85,33.6 219.85,50.19 217.53,52.51 217.53,69.09 215.21,71.42
  Bottom w0.3: SW20.1 219.51,50.68 219.51,45.59 219.13,45.2 205.33,45.2 203.51,43.39 187.04,43.39 185.34,45.09 177.29,45.09 170.59,38.39 156.42,38.39 154.31,36.29 138.61,36.29 137.84,35.51 U6.5
D_N: length 66.8
  Top w0.3: v2(113.99,76.66) 112.65,76.66 v3(112.39,76.41)
  Bottom w0.2: v3(112.39,76.41) 112.39,75.86 112.29,75.76
  Bottom w0.21: U3.2 111.38,75.31 112.2,74.49 112.2,74.2 112.21,74.19 112.21,73.02 106.56,67.37 106.56,64.92 104.31,62.67 104.31,26.37 107.28,23.39 108.21,23.39 108.28,23.32 U2.32 ; 112.96,78.06 112.96,77.08 113.03,77.01 113.03,76.5 111.94,75.41 111.43,75.41
  Bottom w0.3: J1.A7 113.96,76.69 v2(113.99,76.66)
D_P: length 64.3
  Bottom w0.21: 113.6,75.36 114.7,76.46 114.7,77 114.46,77.24 114.46,78.06 ; U3.3 113.38,75.31 112.56,74.49 112.56,74.34 112.57,74.33 112.57,72.87 106.92,67.22 106.92,64.77 104.67,62.52 104.67,26.52 107.43,23.75 108.21,23.75 108.28,23.82 U2.33 ; 113.46,78.06 113.46,77.08 113.39,77.01 113.39,75.37
EncA: length 30
  Bottom w0.2: U2.40 112.29,46.37 arc(112.14,47.14) 111.71,47.78 111.45,48.05 arc(111.23,48.37) 111.15,48.75 SW36.A 111.89,54.77 C10.1
EncB: length 30.1
  Bottom w0.2: C9.1 115.67,54.51 ; U2.41 112.79,47.18 arc(112.87,47.56) 113.09,47.89 113.33,48.13 arc(113.55,48.45) 113.62,48.84 113.62,50.67 arc(113.77,51.43) 114.21,52.08 SW36.B
KNOB_SW: length 46.6
  Bottom w0.2: 116.75,66.05 116.75,61.13 arc(116.6,60.36) 116.17,59.71 115.25,58.79 arc(114.6,58.36) 113.83,58.21 111.81,58.21 arc(111.05,58.06) 110.4,57.62 108.08,55.3 arc(107.64,54.65) 107.49,53.89 107.49,43.18 arc(107.64,42.41) 108.08,41.76 111.21,38.63 arc(111.64,37.98) 111.79,37.22 U2.39
NRST: length 2
  Bottom w0.2: 119.41,23.01 118.73,22.32 U2.7
RGB: length 14.8
  Top w0.2: v1(110.78,33.32) 110.78,34.64 110.04,35.38 JP2.2
  Top w0.3: 110.75,33.33 D101.3
  Bottom w0.2: v1(110.78,33.32) 111.29,32.81 U2.38
ROW0: length 377.4
  Top w0.3: v1(93.31,57.62) 94.01,56.92 94.01,24.12 100.51,17.62 115.71,17.62 v1(116.71,16.62) 131.61,16.62 134.51,19.52 134.51,40.52 132.11,42.92 132.11,61.71 137.01,66.61
  Bottom w0.3: 68.6,68.36 68.6,62.25 69.05,61.79 82.74,61.79 83,61.53 ; 68.6,68.36 68.6,68.53 SW4.2 ; 68.6,68.36 43.22,68.36 43.84,68.98 ; 88.15,66.85 83,61.7 83,61.53 ; 189.24,69.09 193.58,73.43 ; 189.24,69.09 167.35,69.09 ; 189.24,69.09 191.66,66.67 208.72,66.67 213.07,71.02 ; 83,61.53 85.25,59.28 91.65,59.28 v1(93.31,57.62) ; 167.35,69.09 174.1,75.83 ; 167.35,69.09 159.82,61.56 150.88,61.56 ; 43.84,68.98 43.84,68.99 50.93,76.08 50.93,76.23 ; 43.84,68.98 41.23,66.37 23.94,66.37 23.7,66.12 ; 150.88,61.56 148.36,59.04 137.6,59.04 137.01,59.63 137.01,66.44 ; 150.88,61.56 155.77,66.45 SW7.2 ; 31.42,73.84 21.92,64.34 10.51,64.34 10.51,69.99 SW1.2 ; U2.13 116.29,17.04 v1(116.71,16.62)
ROW1: length 381.3
  Top w0.3: v1(78.91,20.62) 77.51,22.02 77.51,39.45 86,47.94 ; v1(149.41,19.22) 150.71,20.52 150.71,38.56 141.32,47.95 ; v1(115.31,16.32) 115.07,16.09 112.47,16.09 v1(112.11,15.72)
  Bottom w0.3: 188.1,62.38 188.19,62.29 205.52,62.29 215.39,52.41 ; 188.1,62.38 195.81,54.67 195.88,54.67 ; 188.1,62.38 185.64,64.84 173.96,64.84 166.51,57.39 169.71,57.39 ; 169.71,57.39 176.08,57.39 SW18.2 ; 169.71,57.39 155.27,57.39 150.21,52.32 150.21,47.95 ; 61.33,57.73 75.95,57.73 85.74,47.94 ; 61.33,57.73 66.94,52.13 SW14.2 ; 61.33,57.73 54.15,64.91 46.22,64.91 43.7,62.38 ; 150.21,47.95 156.03,47.95 SW17.2 ; 150.21,47.95 141.48,47.95 ; 24.28,59.76 24.28,59.71 29.06,54.93 ; SW11.2 8.63,53.52 8.63,59.58 8.69,59.64 24.16,59.64 24.85,60.33 ; v1(78.91,20.62) 82.06,20.62 86.96,15.72 v1(112.11,15.72) ; 43.7,62.38 43.42,62.11 48.2,57.33 48.5,57.33 ; 43.7,62.38 43.35,62.04 26.56,62.04 24.85,60.33 ; 24.85,60.33 24.39,59.87 ; U2.15 115.29,16.34 v1(115.31,16.32) 116.11,15.52 140.82,15.52 144.52,19.22 v1(149.41,19.22)
ROW2: length 333.5
  Top w0.3: 141.65,28.8 141.65,23.47 132.81,14.62 v1(114.31,14.62) 88.99,14.62 82.01,21.61 82.01,27.37 83.68,29.04
  Bottom w0.3: 60.01,26.6 60.04,26.6 63.11,23.53 79.82,23.53 83.68,27.39 83.68,29.04 ; 60.01,26.6 39.14,26.6 36.89,28.85 ; 60.01,26.6 64.77,31.36 ; 36.89,28.85 26.93,28.85 25.12,30.67 ; 36.89,28.85 46.44,38.41 ; 151.21,21.89 143.11,21.89 141.65,23.35 141.65,28.02 ; 151.21,21.89 SW27.2 ; 151.21,21.89 152.64,23.32 164.05,23.32 169.76,29.04 ; 191.51,28.86 189.1,26.44 172.36,26.44 169.76,29.04 ; 191.51,28.86 191.51,28.9 198.23,35.61 ; 191.51,28.86 202.64,28.86 209.37,35.59 215.63,35.59 217.72,33.51 ; 169.76,29.04 178.74,38.02 ; 25.12,30.67 25.12,34.34 SW22.2 ; 25.12,30.67 15.02,40.77 8.16,40.77 7.46,40.07 7.46,33.6 ; 141.65,23.45 141.65,28.02 ; 141.65,28.02 141.65,28.63 ; v1(114.31,14.62) 114.29,14.64 U2.17
ROW3: length 143.3
  Top w0.3: 58.33,11.66 SW39.1 ; SW39.1 44.04,11.92 SW31.1 ; SW39.1 60.33,10.18 SW32.1 ; SW34.2 183.11,11.77 SW42.1 168.74,11.9 SW42.1 166.98,10.18 SW33.2
  Bottom w0.3: 113.31,13.74 91.16,13.74 86.1,8.68 80.32,8.68 SW40.1 ; 113.31,13.74 133.04,13.74 139.69,7.09 145.4,7.09 SW43.1 ; 113.31,13.74 113.29,13.75 U2.19
SCL: length 30.9
  Bottom w0.2: U2.42 113.29,45.9 arc(113.45,46.66) 113.88,47.31 114.48,47.91 arc(114.91,48.56) 115.06,49.32 ; J2.3 115.7,50.47 arc(116.35,50.91) 117.12,51.06 117.45,51.06 arc(118.22,50.91) 118.86,50.47 119.07,50.27 arc(119.29,49.94) 119.36,49.56 119.36,47.48
SDA: length 26.2
  Bottom w0.2: U2.43 113.79,45.75 arc(113.95,46.51) 114.38,47.16 116.91,49.69 ; R4.1 118.48,47.85 arc(118.33,48.62) 117.89,49.27
Net-(D101-DOUT): length 7.3
  Top w0.3: D101.1 114.53,36.51 112.78,38.26 D102.3
Net-(D102-DOUT): length 64.3
  Top w0.2: v1(149.41,74.02) 149.16,74.27 133.95,74.27 128.31,68.62 128.31,57.39 115.75,44.83 D102.1 114.53,43.83 113.85,43.16 111.83,43.16 110.75,42.08 110.75,39.39 111.25,38.89 ; 111.34,38.8 111.25,38.89 ; 111.34,38.8 JP2.1 ; 111.34,38.8 111.25,38.89
  Bottom w0.3: v1(149.41,74.02) 148.68,74.02
Net-(D103-DOUT): length 95.9
  Bottom w0.2: D103.1 147.81,75.99 155.98,75.99 156.26,76.03 156.31,75.99 164.47,75.99 171.68,83.2 179.78,83.2 181.71,81.28 199.15,81.28 202,78.42 218.31,78.42 222.31,74.42 222.31,62.68 D104.3
Net-(D104-DOUT): length 47.1
  Top w0.3: v1(210.01,62.42) 206.91,59.32 206.91,48.42 208.51,46.82 208.51,31.82 v1(209.91,30.42)
  Bottom w0.3: D104.1 218.24,64.04 211.62,64.04 v1(210.01,62.42) ; D105.3 210.72,29.61 v1(209.91,30.42)
Net-(D105-DOUT): length 51.2
  Bottom w0.2: D105.1 203.05,26.58 193.76,26.58 193.51,26.33 193.51,18.38 194.46,17.43 194.46,10.88 190.81,7.23 178.55,7.23 D106.3
Net-(D106-DOUT): length 66.5
  Bottom w0.2: D107.3 114.98,1.22 150.5,1.22 152,2.73 159.7,2.73 161.3,4.33 172.25,4.33 174.65,6.73 174.65,8.75 D106.1
Net-(D107-DOUT): length 66
  Bottom w0.2: D108.3 53.18,4.48 64.8,4.48 66.2,3.08 76.9,3.08 78.45,1.53 109.85,1.53 109.85,2.25 D107.1
Net-(D108-DOUT): length 51.7
  Bottom w0.2: D108.1 46.42,7.33 35.38,7.33 32.8,9.91 32.8,17.73 33.51,18.43 33.51,25.93 32.9,26.53 21.95,26.53 19.8,28.68 D109.3
Net-(D109-DOUT): length 55.6
  Bottom w0.2: D110.3 5.23,59.58 4.7,59.58 3.15,58.03 3.15,43.18 1.3,41.33 1.3,29.43 4.25,26.48 12.85,26.48 14.85,28.48 14.85,29.63 17.03,31.81 D109.1
Net-(D110-DOUT): length 94.1
  Bottom w0.2: D110.1 6.12,77.39 7.75,79.03 26.5,79.03 30.1,82.63 56.21,82.63 58.15,80.68 70.9,80.68 79.05,72.53 80.21,72.53 D111.3
Net-(D111-DOUT): length 127.2
  Top w0.2: JP2.3 105.3,41.59 v1(101.04,41.59) ; v1(80,76.28) 80.31,75.98 80.31,61.01 75.86,56.56 75.86,20.86 78.71,18.01 83.25,18.01 89.47,11.79 94.71,11.79 J101.2
  Bottom w0.2: v1(80.25,60.98) 86.2,55.03 91.95,55.03 94.7,52.28 94.7,47.93 v1(101.04,41.59) ; v1(80,76.28) 80,77.32 D111.1
Net-(J1-CC1): length 4.2
  Bottom w0.2: R1.2 110.18,75.41 110.73,75.96 110.93,75.96 112.08,77.11 112.41,77.11 112.46,77.16 112.46,78.06
Net-(J1-CC2): length 7.9
  Bottom w0.2: R2.2 119.35,74.32 118.57,73.53 117.3,73.53 116.41,74.43 116.41,75.89 115.46,76.84 115.46,78.06
Net-(U5--): length 13.1
  Bottom w0.2: R15.1 125.86,20.16 U5.4
  Bottom w0.3: R15.1 126.59,19.89 127.56,18.93 127.56,17.66 126.97,17.07 R6.2 R18.2
unconnected-(U2-PA13-Pad34): length 12.2
  Bottom w0.2: U2.34 110.14,24.32 110.23,24.23 110.73,24.23 111.08,24.58 111.08,25.1 108.59,27.59 v1(108.59,33.84)
unconnected-(U2-PA14-Pad37): length 7.7
  Bottom w0.2: 109.19,33.34 109.19,27.59 110.05,26.74 U2.37

## Copper pours and planes (outline as drawn; the poured copper is in the pictures)
+3V3 on In1.Cu: -5.04,90.58 234.96,90.58 234.96,-4.42 -5.04,-4.42
GND on Top, Bottom: -3.49,88.58 106.21,88.33 106.21,73.58 107.91,72.18 119.76,72.18 121.01,73.58 121.06,88.58 233.51,88.58 233.51,-5.42 -3.49,-5.42 -3.49,-4.42
GND on Top, Bottom, In1.Cu, In2.Cu: 106.96,85.17 106.96,73.83 108.08,72.88 111.46,72.77 111.46,70.58 112.66,70.58 112.66,72.77 119.36,72.77 120.46,73.97 120.46,85.17
GND on In2.Cu: -3.49,88.58 106.21,88.33 106.21,73.58 107.91,72.18 119.76,72.18 121.01,73.58 121.06,88.58 233.51,88.58 233.51,-5.42 -3.49,-5.42 -3.49,-4.42

## Text on the board
B.Silkscreen: Le Capybara / 20240221 v1.0 / by sporkus | 5v | gnd | rgb_out | 3v3 | scl | sda | JLCJLCJLCJLC | DNP | DFU
User.Comments: bot rst sw | top LED | 227.34 x 84.92mm
F.Silkscreen: 1u | 1.25u | LED / bypass | gnd | 3v3 | scl | sda | all | front | 2u
